# KiCad board 4in1-panel.kicad_pcb (continued)
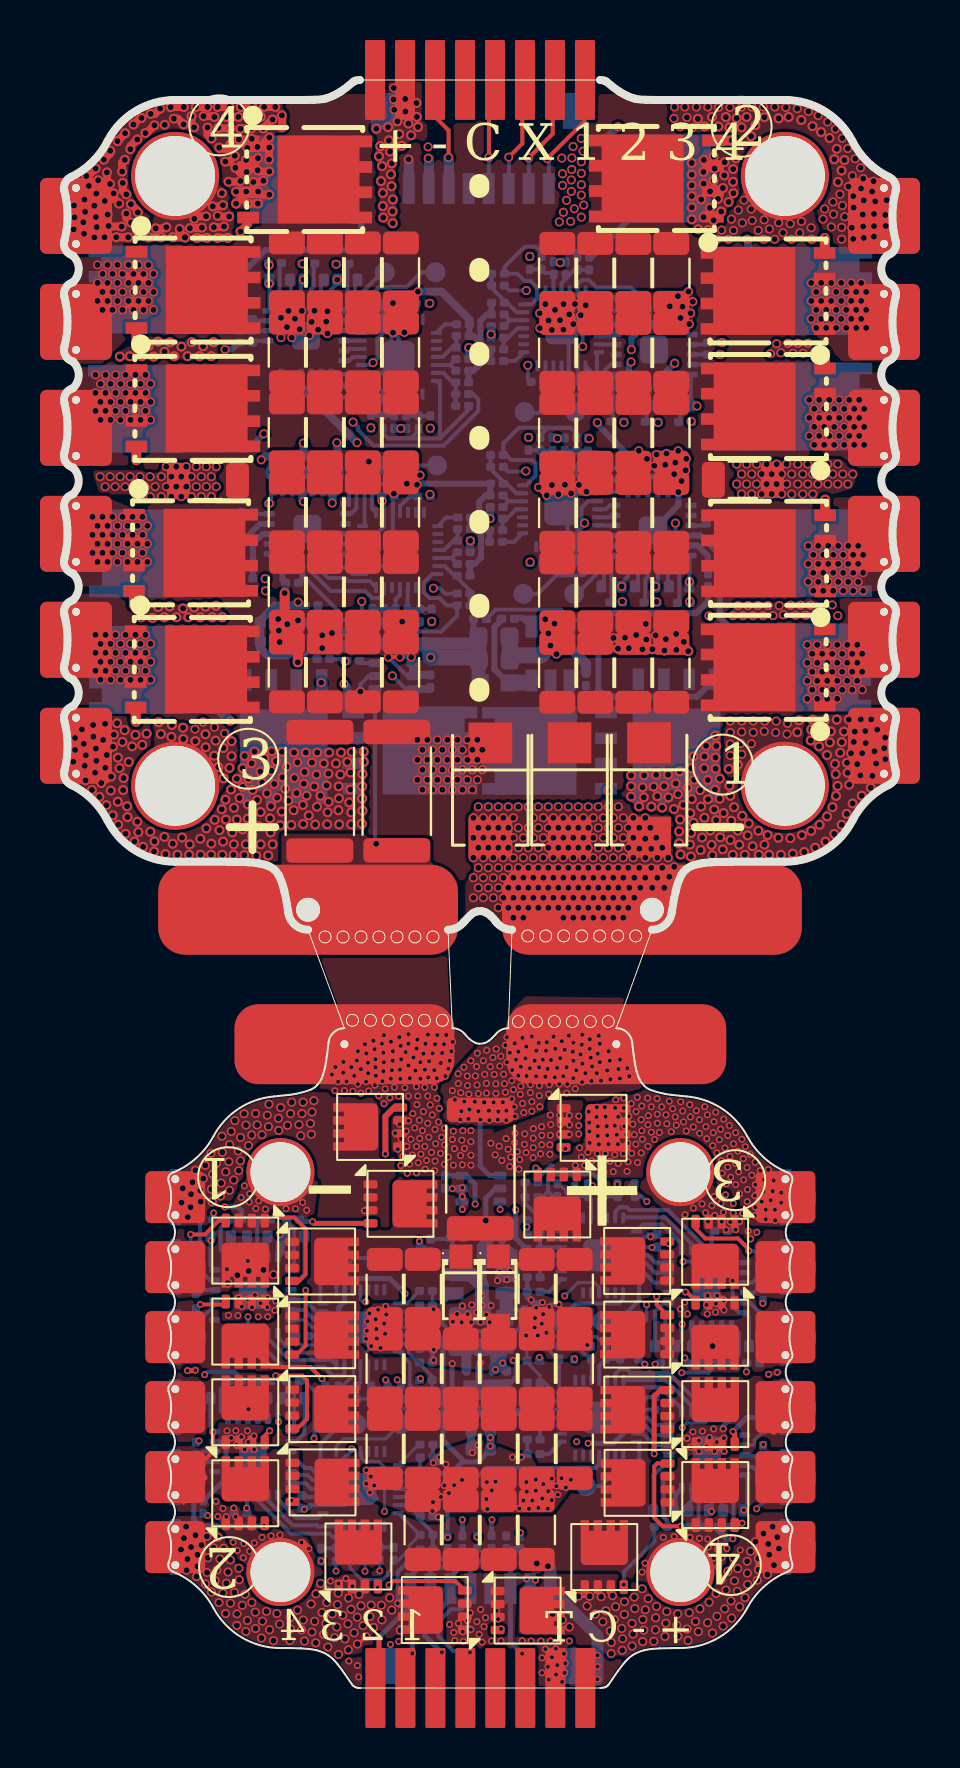
[diagram p0: board, top side]
## Routing (per net, layer and track width the routed paths; a pad name or vN(x,y) marks a point on that pad's centre or on a via; arc(x,y) is an arc through that point) (continued)
+10V: length 150.4
  In2.Cu w0.4: 16.24,8.29 15.8,8.29 13.02,11.07 13.02,12.71 12.44,13.3 12.35,13.3 12.35,17.47 12.58,17.7 ; 16.24,8.29 11.69,8.29 11.16,8.82 11.12,8.82 10.82,9.12 9.25,9.12 v2(9.13,9) ; 16.24,8.29 17.92,9.98 17.92,11.48 18.52,12.08 19.34,12.08 20.41,11.01 24.26,11.01 24.47,11.22 28.26,11.22 30.24,13.2 30.73,13.2 v2(30.91,13.02) ; 9.16,18.35 9.16,18.34 9.81,17.7 12.58,17.7 ; 12.58,17.7 17.23,22.34 v2(17.76,22.34) 18.93,22.34 21.92,19.36 v2(21.92,16.25) 21.88,16.25 v2(21.56,15.92)
  In2.Cu w0.5: 30.24,13.2 27.96,15.48 27.96,19.7 29.55,21.29 30.91,21.29
  In2.Cu w0.6: 28.36,67.01 28.07,67.01 26.66,65.6 v1(26.66,63.29)
  In3.Cu w0.8: 19.19,60.38 19.19,61.32 18.29,62.21 14.72,62.21 ; 19.19,60.38 19.51,60.06 19.51,52.73 v1(18.32,51.54) ; 19.19,60.38 22.14,63.34 26.61,63.34 v1(26.66,63.29)
  Bottom w0.16: U11.4 32.38,13.6 32.05,13.26 31.15,13.26 v2(30.91,13.02)
  Bottom w0.2: C88#2.1 32.38,14.5 32.38,13.95 ; U8.4 11.91,55.67 13.69,53.89 U15.4 14.55,53.41 14.93,53.04 14.93,52.38 14.67,52.11 C76.1 ; 9.18,9.65 9.13,9.6 C57.1 v2(9.13,9) ; 9.18,18.56 U3#2.4 9.18,16.88 C77.1 ; C63.1 32.38,22.69 U9.4 32.38,21.69 32.02,21.33 v2(30.95,21.33)
  Bottom w0.3: C47.1 20.47,52.83 20.47,53.55 ; U4#2.4 29.69,60.39 C57#2.1 29.27,60.59 26.66,63.2 v1(26.66,63.29) ; U8.4 11.91,55.48 C63#2.1 ; v1(28.36,66.93) 28.36,67.48 28.83,67.95 29.16,67.95 29.75,68.54 U6.4 29.75,69.44 C58.1
  Bottom w0.4: U1.4 20.11,16.64 C43#2.1 ; C68.1 11.84,65.14 U10.4 11.84,65.09 v1(14.64,62.28) ; 17.76,22.14 18.08,21.82 R119.1
  Bottom w0.5: C86#2.1 20.4,17.05 20.11,16.76 U1.4 ; U5#2.2 21.97,17.05 C43#2.1 ; U5#2.2 21.87,16.95 21.87,16.08 22.09,15.87 ; U5#2.2 21.56,16.64 v2(21.56,15.92)
  Bottom w0.6: U15.6 13.7,52.12 14.07,52.12 14.13,52.06 14.8,52.06 14.98,52.24 20.39,52.24 C47.1
  Bottom w0.7: U14.2 20.72,50.38 C47.1
  Bottom w0.8: 18.04,52.18 18.32,51.89 v1(18.32,51.54) 20.61,51.54 20.73,51.42 20.72,51.43 C47.1
  vias: v2(9.19,18.57)
/ESC1/vdda: length 3.2
  Bottom w0.2: R84.1 22.23,59.36 ; 22.23,59.36 C48#2.1 ; 22.23,59.36 U2#2.5 ; 16.81,17.64 17.73,17.64 R74.1 C48.1
/ESC2/vdda: length 3.5
  Bottom w0.2: C54.1 22.29,68.41 ; 22.29,68.41 R85.1 ; 22.29,68.41 U5.5 ; C44#2.1 R75#2.1 17.35,9.55 U6#2.5
/ESC3/vdda: length 3.2
  Bottom w0.2: C60.1 19.37,56.52 ; 19.37,56.52 U7#2.5 ; 19.37,56.52 R86.1 ; 24.75,22.04 23.86,22.04 R76#2.1 23.79,21.97 C64.1
/ESC4/vdda: length 3.2
  Bottom w0.2: R88.1 19.3,66.17 ; 19.3,66.17 C65#2.1 ; 19.3,66.17 U9#2.5 ; C78.1 23.8,13.87 R77#2.1 23.87,13.93 24.76,13.93
GND: length 168.3
  Top w0.2: v1(24.62,51.71) 24.21,52.11 v1(24.21,52.75) ; v1(24.52,53.23) 24.3,53.45 v1(24.05,53.45) ; v1(17.01,67.8) 16.99,67.78 v1(16.44,67.78) ; v1(16.21,51.56) v1(16.78,51.56)
  Top w0.25: v2(33,11.84) 32.88,11.96 32.88,12.2 ; Q24.1 32.23,12.13 v2(32.53,11.84) ; v2(6.16,15.88) 6.54,15.88 v2(6.56,15.89)
  Top w0.3: v2(12.23,6.97) 11.92,7.28 v2(11.86,7.28)
  Top w0.4: v3(8.18,72.53) v3(7.67,72.53) ; v3(5.43,72.56) 5.45,72.55 v3(6.03,72.55) 5.77,72.81 v3(5.77,72.97) ; v3(7.43,74.1) 7.87,74.1 v3(7.93,74.17) ; v3(7.66,73.63) 7.7,73.59 v3(8.24,73.59) ; v3(7.14,72.53) v3(6.63,72.53) ; v3(7.99,73.1) 7.95,73.06 v3(7.48,73.06) ; v3(4.83,72.56) v3(4.23,72.56) ; v3(4.57,73) 5.04,73 v3(5.1,73.06) ; v3(7.09,73.61) 6.63,73.61 v3(6.5,73.48) ; v3(6.28,73.01) 6.85,73.01 v3(6.88,73.04)
  Top w0.5: v1(11.02,54.77) 11.02,53.34 ; v3(11.68,51.3) 11.68,51.73
  In3.Cu w0.2: v1(11.88,68.88) 12.37,68.39 v1(12.37,68.33) ; v1(12.69,67.93) v1(13.1,68.34)
  Bottom w0.16: 25.5,25.03 25.5,25 25.5,25 v2(25.55,25) ; v2(15.63,17.48) 15.08,18.04 U2.29 ; v2(15.63,17.48) 15.81,17.48 v2(16.04,17.72) ; v2(15.63,17.48) 15.63,17.86 v2(16,18.23) 15.79,18.23 v2(15.57,18.44) ; v2(18.46,11.26) 18.44,11.28 C46.2 ; v2(15.13,17.87) 14.96,18.04 U2.29 ; v2(15.13,17.87) 15.13,17.32 v2(15.35,17.1) ; v2(15.13,17.87) 15.13,17.51 v2(15.08,17.47) ; v2(15.26,18.74) 15.55,18.44 v2(15.57,18.44) ; C49.2 11.57,17.4 11.81,17.16 12.59,17.16 12.66,17.24 U2.16 14.01,17.24 U2.29 ; v2(15.16,18.34) 15.55,17.96 v2(15.61,17.96) ; v2(13.59,5.85) 13.57,5.86 R35.1 ; v2(18.47,18.95) 18.42,18.95 18.41,18.96 C50.2 R19.2 ; v2(18.48,16.92) 18.41,16.86 R26.1 ; v2(29.13,19.17) 29.13,18.42 R71#2.1 ; v2(15.57,18.44) 15.57,18.8 v2(15.7,18.93) 15.9,18.93 v2(16.07,19.09) ; v2(15.35,17.1) 15.35,17.7 v2(15.61,17.96) ; v2(15.35,17.1) 15.35,17.04 15.08,16.77 ; v2(15.33,10.58) 14.81,10.05 U6#2.29 15.32,9.95 v2(15.5,10.13) ; U2.29 14.47,17.7 14.47,15.66 13.91,15.1 R32.1 ; v2(15.77,5.86) 15.77,5.86 R14#2.1 ; v2(26.16,17.16) 26.22,17.09 R68.1 ; v2(16.65,15.41) 16.65,15.4 16.75,15.3 16.75,15.09 ; v2(15.61,17.96) 15.61,18.18 v2(16.1,18.68)
  Bottom w0.2: v2(23.13,23.06) 23.15,23.08 R47#2.1 C64.2 ; U9.25 32.13,19.67 ; v1(24.05,53.45) 24.32,53.19 v1(24.32,52.14) ; C88#2.2 33.38,14.44 33.38,13.95 ; v1(24.66,62.49) 24.62,62.54 R29.1 25.02,62.54 R32#2.1 ; U15.7 12.03,53.39 v1(11.69,53.39) ; U15.7 12.66,52.25 v3(12.9,52.01) ; U15.7 v3(13.39,52.76) ; C86#2.2 20.96,18.6 v2(21.27,18.3) ; C86#2.2 20.88,18.35 v2(20.82,18.3) ; C86#2.2 21.03,18.6 v2(21.1,18.68) ; U8#2.29 27.55,22.44 U8#2.16 28.94,22.44 29.18,22.69 C65.2 29.44,22.69 v2(29.32,22.57) ; U9#2.16 15.92,65.77 U9#2.29 ; C66.2 R40#2.2 ; U6#2.29 14.01,9.15 U6#2.16 12.23,9.15 12.07,8.99 C45#2.2 12.23,8.99 12.27,9.03 ; C46.2 R4.2 ; C79#2.2 29.17,14.55 28.94,14.33 U10#2.16 ; 25.23,67.65 25.23,65.39 C55.2 ; R58.2 C80#2.2 ; U12.2 17.16,50.6 v1(16.21,51.56) ; v1(24.52,53.23) 24.52,53.06 v1(24.21,52.75) ; R50.1 v1(16.9,53.34) 16.89,53.35 R53#2.1 ; v1(16.44,69.26) 16.36,69.19 16.36,66.93 U9#2.29 ; U7#2.16 15.99,56.11 U7#2.29 16.43,57.27 16.43,59.53 C61.2 ; R71.1 16.82,63 v1(16.83,62.99) R68#2.1 ; v3(11.68,51.3) 12.9,52.52 v3(12.9,52.65) ; U2#2.16 25.61,59.76 U2#2.29 25.17,58.6 25.17,56.34 C49#2.2 ; v1(16.44,67.78) 16.72,67.51 U9#2.29 ; R65#2.1 C78.2 ; v1(16.78,51.56) v1(17.35,51.56)
  Bottom w0.25: v2(12.01,8.93) 12.06,8.99 12.07,8.99 ; U1.3 19.4,14.57 v2(19.4,16.22) ; v2(23.54,18.5) 23.83,18.22 v2(23.88,18.22) ; v2(19.08,11.18) 19.01,11.26 v2(18.46,11.26) 18.49,11.26 v2(18.77,11.54) ; 22.14,15.23 22.28,15.23 22.62,15.58 22.62,16.22 v2(22.46,16.38) ; v2(18.44,9.3) 18.44,8.88 v2(18.41,8.85) ; v2(20.88,19.63) 21.34,19.16 v2(21.34,19.13) ; U11.6 33.38,13.53 32.95,13.1 ; C43#2.2 20.04,18.6 v2(20.35,18.3) 20.35,18.49 v2(20.64,18.79) 20.26,18.79 v2(20.17,18.7) ; v2(18.48,16.92) 18.42,16.86 18.42,16.49 18.48,16.43 v2(18.48,16.4) ; v2(24.25,19.06) 24.37,19.18 v2(24.73,19.18) ; v2(23.6,19.02) 23.93,18.7 v2(23.95,18.7) ; v2(19.88,18.3) 19.88,18.47 v2(19.64,18.71) ; v2(20.8,16.27) 20.76,16.23 U1.7 ; v2(20.38,19.16) 20.87,19.16 v2(20.88,19.15) ; v2(23.1,17.63) 23.14,17.63 23.49,17.99 23.49,19.21 23.15,19.55 23.15,20.15 ; v2(20.69,12.15) 20.41,11.87 v2(20.41,11.77) 20.35,11.83 C1.1 ; v2(24.11,17.76) 23.85,18.03 v2(23.53,18.03) ; v2(15.1,10.22) 15.33,10.45 v2(15.33,10.58) 15.33,10.66 v2(15.1,10.9) ; v2(23.91,19.28) 23.48,19.28 v2(23.35,19.42) ; v2(19.91,19.1) 19.43,18.63 v2(19.43,18.32) ; v2(19.91,23.93) 19.89,23.95 U12#2.1 U12#2.2 19.88,24.99 C93#2.2 ; 15.6,9.5 15.32,9.78 v2(15.29,9.78)
  Bottom w0.3: 20.81,66.9 R22#2.2 21.33,66.94 C52.2 ; 20.81,66.9 20.81,68.38 21.13,68.69 C54.2 21.37,68.7 R11.1 ; 20.81,66.9 20.81,66.23 20.46,65.88 C65#2.2 20.22,65.87 R65.1 ; 20.81,66.9 20.81,67.29 20.48,67.62 C64#2.2 20.26,67.63 R59.2 ; C63#2.2 10.91,55.44 U8.6 ; v1(16.48,59.73) 16.51,59.7 C61.2 ; R19#2.2 21.27,57.9 C50#2.2 21.05,57.91 20.75,58.21 ; 20.75,58.21 20.85,58.11 20.85,56.54 20.53,56.23 C60.2 20.29,56.22 R47.1 ; 20.75,58.21 20.56,58.21 C59#2.2 20.32,58.54 R41.2 ; 20.75,58.21 20.75,59.33 21.07,59.65 C48#2.2 21.3,60.23 R26#2.1 17.69,60.24 v1(17.64,60.18) 17.64,60.51 v1(17.79,60.66) ; v1(30.71,59.81) 30.71,59.17 U4#2.25
  Bottom w0.4: C76.2 14.44,52.78 12.68,52.78 U15.7 ; C71#2.2 22.15,15.22 22.14,15.23 21.1,15.23 U1.7 U1.5 ; v1(24.13,59.65) 24.39,59.91 v1(24.39,60.17) ; v1(17.69,69.84) 18.87,69.84 20.26,68.45 R59.2 ; v1(10.77,52.31) 10.77,52.79 11.3,53.32 12.1,53.32 U15.7 ; C1.1 C42.1 20.11,13.11 U1.3 ; v1(25.35,59.75) 25.74,60.14 v1(25.74,60.17) ; C4.1 10.75,52.91 v1(10.73,52.89) ; v1(24.71,59.71) 25.04,60.03 v1(25.04,60.18) ; v1(11.02,54.77) 11.07,54.81 C63#2.2 ; C81.2 12.69,52.79 U15.7 ; v2(27.66,25.2) 27.67,25.21 27.67,25.22 ; C93.2 17.51,50.67 U12.2 U12.1 ; U2#2.29 25.69,59.83 v1(26.11,59.83) ; v1(10.7,53.46) 10.89,53.46 v1(11.15,53.21)
  Bottom w0.5: C74.2 26.1,51.23 25.2,52.13 24.33,52.13 v1(24.32,52.14) ; 20.88,20.15 20.88,22.07 C69#2.2 ; Q21#2.1 Q21#2.1 ; U10.6 10.84,65.09 C68.2 ; v1(18.21,76.5) 18.23,76.48 18.23,75.57
  Bottom w0.6: J1.P2 16.02,1.08
  Bottom w0.7: U13#2.2 20.34,20.69 20.88,20.15 v2(20.88,19.15) C86#2.2 C43#2.2
  Bottom w0.8: U13.2 v1(24.32,52.14) 23.83,51.65 22.51,51.65 C86.2 22.28,52.56 C47.2
  vias: v1(1.79,60.58) v1(2.04,60.08) v1(2.29,60.58) v1(2.54,60.08) v1(2.79,60.58) v1(3.04,60.08) v1(3.29,60.58) v1(3.54,60.08) v1(3.79,60.58) v1(3.79,59.58) v1(3.84,53.53) v1(4.04,60.08) v1(4.29,60.58) v1(4.29,59.58) v1(4.54,60.08) v1(4.85,60.58) v1(4.85,59.58) v1(5.1,61.08) v1(5.1,60.08) v1(5.35,60.58) v1(5.35,59.58) v1(5.6,61.08) v1(5.6,60.08) v1(5.85,60.58) v1(5.85,59.58) v1(6.1,61.08) v1(6.1,60.08) v1(6.35,60.58) v1(6.35,59.58) v1(6.6,61.08) v1(6.6,60.08) v1(6.54,47.96) v1(6.85,60.58) v1(6.85,59.58) v1(6.94,48.31) v1(7.1,61.08) v1(7.1,60.08) v1(7.35,60.58) v1(7.35,59.58) v1(7.51,48.06) v1(7.6,61.08) v1(7.6,60.08) v1(8.02,47.74) v1(10.83,68.53) v1(10.83,67.54) v1(11.14,68.07) v1(11.21,68.88) v1(11.38,67.54) v1(11.54,68.48) v1(11.77,67.96) v1(12.25,67.64) v1(12.51,68.88) v1(13.16,68.85) v1(13.16,67.74) v1(15.24,61.34) v1(16.48,80.02) v1(16.46,79.45) v1(16.5,78.94) v1(17.05,79.47) v1(17.13,60.23) v1(18.2,77.08) v1(20.46,43.52) v1(20.46,42.52) v1(20.46,41.52) v1(20.46,40.52) v1(20.46,39.52) v1(20.71,44.07) v1(20.71,43.02) v1(20.71,42.02) v1(20.71,41.02) v1(20.71,40.02) v1(20.96,43.52) v1(20.96,42.52) v1(20.96,41.52) v1(20.96,40.52) v1(20.96,39.52) v1(21.21,44.07) v1(21.21,43.02) v1(21.21,42.02) v1(21.21,41.02) v1(21.21,40.02) v1(21.46,43.52) v1(21.46,42.52) v1(21.46,41.52) v1(21.46,40.52) v1(21.46,39.52) v1(21.71,44.07) v1(21.71,43.02) v1(21.71,42.02) v1(21.71,41.02) v1(21.71,40.02) v1(21.71,39.02) v1(21.96,43.52) v1(21.96,42.52) v1(21.96,41.52) v1(21.96,40.52) v1(21.96,39.52) v1(22.21,44.07) v1(22.21,43.02) v1(22.21,42.02) v1(22.21,41.02) v1(22.21,40.02) v1(22.21,39.02) v1(22.46,43.52) v1(22.46,42.52) v1(22.46,41.52) v1(22.46,40.52) v1(22.46,39.52) v1(22.46,38.52) v1(22.71,44.07) v1(22.71,43.02) v1(22.71,42.02) v1(22.71,41.02) v1(22.71,40.02) v1(22.71,39.02) v1(22.96,42.52) v1(22.96,41.52) v1(22.96,40.52) v1(22.96,39.52) v1(22.96,38.52) v1(23.21,44.07) v1(23.21,43.02) v1(23.21,42.02) v1(23.21,41.02) v1(23.21,40.02) v1(23.21,39.02) v1(23.46,43.52) v1(23.46,42.52) v1(23.46,41.52) v1(23.46,40.52) v1(23.46,39.52) v1(23.71,44.07) v1(23.71,43.02) v1(23.71,42.02) v1(23.71,41.02) v1(23.71,40.02) v1(23.71,39.02) v1(23.77,68.76) v1(23.78,68.01) v1(23.72,60.05) v1(23.96,43.52) v1(23.96,42.52) v1(23.96,41.52) v1(23.96,40.52) v1(23.96,39.52) v1(24.06,69.22) v1(24.21,44.07) v1(24.21,43.02) v1(24.21,42.02) v1(24.21,41.02) v1(24.21,40.02) v1(24.21,39.02) v1(24.22,68.4) v1(24.39,67.92) v1(24.46,43.52) v1(24.46,42.52) v1(24.46,41.52) v1(24.46,40.52) v1(24.46,39.52) v1(24.54,68.92) v1(24.71,44.07) v1(24.71,43.02) v1(24.71,42.02) v1(24.71,41.02) v1(24.71,40.02) v1(24.71,39.02) v1(24.76,73.32) v1(24.8,71.29) v1(24.79,68.41) v1(24.88,76.52) v1(24.92,75.73) v1(24.92,75.15) v1(24.96,73.81) v1(24.97,69.22) v1(24.96,67.94) v1(24.96,43.52) v1(24.96,42.52) v1(24.96,41.52) v1(24.96,40.52) v1(24.96,39.52) v1(24.96,38.52) v1(25.12,74.41) v1(25.21,44.07) v1(25.21,43.02) v1(25.21,42.02) v1(25.21,41.02) v1(25.21,40.02) v1(25.21,39.02) v1(25.26,68.7) v1(25.39,76.53) v1(25.38,75.95) v1(25.36,75.42) v1(25.36,74.85) v1(25.32,73.35) v1(25.45,77.1) v1(25.51,73.98) v1(25.46,68.22) v1(25.46,43.52) v1(25.46,42.52) v1(25.46,41.52) v1(25.46,40.52) v1(25.46,39.52) v1(25.46,38.52) v1(25.54,69.22) v1(25.71,44.07) v1(25.71,43.02) v1(25.71,42.02) v1(25.71,41.02) v1(25.71,40.02) v1(25.71,39.02) v1(25.85,77.5) v1(25.86,76.33) v1(25.86,75.76) v1(25.86,75.19) v1(25.86,74.67) v1(25.86,73.56) v1(25.83,68.66) v1(25.94,76.86) v1(25.98,74.17) v1(25.96,43.52) v1(25.96,42.52) v1(25.96,41.52) v1(25.96,40.52) v1(25.96,39.52) v1(25.96,38.52) v1(26.08,69.16) v1(26.21,44.07) v1(26.21,43.02) v1(26.21,42.02) v1(26.21,41.02) v1(26.21,40.02) v1(26.21,39.02) v1(26.46,43.52) v1(26.46,42.52) v1(26.46,41.52) v1(26.46,40.52) v1(26.46,39.52) v1(26.46,38.52) v1(26.71,44.07) v1(26.71,43.02) v1(26.71,42.02) v1(26.71,41.02) v1(26.71,40.02) v1(26.71,39.02) v1(26.96,43.52) v1(26.96,42.52) v1(26.96,41.52) v1(26.96,40.52) v1(26.96,39.52) v1(26.96,38.52) v1(27.21,44.07) v1(27.21,43.02) v1(27.21,42.02) v1(27.21,41.02) v1(27.21,40.02) v1(27.21,39.02) v1(27.47,52.52) v1(27.46,43.52) v1(27.46,42.52) v1(27.46,41.52) v1(27.46,40.52) v1(27.46,39.52) v1(27.46,38.52) v1(27.71,44.07) v1(27.71,43.02) v1(27.71,42.02) v1(27.71,41.02) v1(27.71,40.02) v1(27.71,39.02) v1(27.96,43.52) v1(27.96,42.52) v1(27.96,41.52) v1(27.96,40.52) v1(27.96,39.52) v1(27.96,38.52) v1(28.04,52.53) v1(28.21,43.02) v1(28.21,42.02) v1(28.21,41.02) v1(28.21,39.02) v1(28.26,40.02) v1(28.46,43.52) v1(28.46,42.52) v1(28.46,41.52) v1(28.51,40.52) v1(28.51,39.52) v1(28.6,52.67) v1(28.74,61.88) v1(28.76,43.02) v1(28.76,41.97) v1(28.76,41.02) v1(28.81,40.02) v1(29.08,53.22) v1(29.06,43.52) v1(29.06,42.47) v1(29.06,41.52) v1(29.06,40.52) v1(29.14,61.48) v1(29.11,52.44) v1(29.31,43.02) v1(29.36,41.97) v1(29.36,41.02) v1(29.41,40.02) v1(29.51,61.13) v1(29.57,52.65) v1(29.62,61.69) v1(29.61,42.52) v1(29.66,41.52) v1(29.66,40.52) v1(29.91,42.02) v1(29.91,41.02) v1(30.01,40.02) v1(30.05,61.18) v1(30.09,52.46) v1(30.12,61.75) v1(30.21,41.52) v1(30.28,69.1) v1(30.26,40.57) v1(30.5,60.71) v1(30.51,41.07) v1(30.56,61.28) v1(30.6,52.72) v1(30.69,69.61) v1(30.7,61.88) v1(30.82,68.52) v1(30.87,60.37) v1(30.92,69.09) v1(30.99,52.32) v1(31.08,60.9) v1(31.11,61.48) v1(31.22,69.84) v1(31.26,68.22) v1(31.33,68.76) v1(31.44,69.34) v1(32.24,53.63) v1(32.64,72.46) v1(32.88,72.91) v1(33.22,72.46) v1(33.37,73.47) v1(33.31,48.36) v1(33.31,47.79) v1(33.31,47.21) v1(33.31,46.64) v1(33.47,72.9) v1(33.45,53.63) v1(33.63,61.21) v1(33.63,60.21) v1(33.7,54.13) v1(33.71,73.92) v1(33.88,60.71) v1(33.88,59.71) v1(33.88,48.36) v1(33.88,47.82) v1(33.83,47.25) v1(33.88,46.7) v1(34,74.42) v1(33.91,73.28) v1(33.95,53.63) v1(34.13,61.21) v1(34.13,60.21) v1(34.2,54.13) v1(34.36,73.97) v1(34.41,73.39) v1(34.38,60.71) v1(34.38,59.71) v1(34.36,47.23) v1(34.45,53.63) v1(34.46,48.36) v1(34.46,47.79) v1(34.71,72.91) v1(34.63,61.21) v1(34.63,60.21) v1(34.7,54.13) v1(34.88,60.71) v1(34.88,59.71) v1(35.01,73.43) v1(34.98,72.46) v1(34.95,53.63) v1(35.01,47.85) v1(35.03,48.36) v1(35.13,61.21) v1(35.13,60.21) v1(35.2,54.13) v1(35.27,72.97) v1(35.32,66.73) v1(35.38,60.71) v1(35.38,59.71) v1(35.45,53.63) v1(35.53,72.46) v1(35.61,48.36) v1(35.58,47.79) v1(35.63,67.23) v1(35.63,61.21) v1(35.63,60.21) v1(35.73,73.28) v1(35.76,54.13) v1(35.84,66.78) v1(35.88,60.71) v1(35.88,59.71) v1(35.95,72.78) v1(35.97,53.68) v1(36.2,67.25) v1(36.13,61.21) v1(36.13,60.21) v1(36.17,48.24) v1(36.15,47.71) v1(36.31,73.24) v1(36.37,72.46) v1(36.38,60.71) v1(36.38,59.71) v1(36.33,54.15) v1(36.45,66.75) v1(36.58,53.65) v1(36.7,67.25) v1(36.69,61.21) v1(36.69,60.21) v1(36.78,72.78) v1(36.87,73.35) v1(36.83,54.15) v1(36.95,66.75) v1(36.94,60.71) v1(36.94,59.71) v1(37.08,53.65) v1(37.2,67.25) v1(37.19,61.21) v1(37.19,60.21) v1(37.35,73.03) v1(37.37,72.46) v1(37.33,54.15) v1(37.44,60.71) v1(37.44,59.71) v1(37.69,61.21) v1(37.69,60.21) v1(37.94,60.71) v1(38.19,61.21) v1(38.19,60.21) v1(38.44,60.71) v1(38.41,54.17) v1(38.69,61.21) v1(38.69,60.21) v1(38.69,53.63) v1(38.94,60.71) v1(39.19,60.21) v1(39.44,60.71) v2(7.58,9.34) v2(7.68,8.58) v2(7.94,8.98) v2(8.1,8.57) v2(8.21,18.64) v2(8.13,12.86) v2(8.35,12.51) v2(8.48,9) v2(8.44,7.29) v2(8.58,12.86) v2(8.6,12.16) v2(8.57,8.57) v2(8.68,18.63) v2(8.65,6.88) v2(8.72,19.52) v2(8.84,24.53) v2(8.88,19.07) v2(8.86,12.56) v2(9.01,25.12) v2(8.98,7.23) v2(8.95,6.51) v2(9.02,11.93) v2(9.16,19.45) v2(9.16,12.86) v2(9.2,12.3) v2(9.27,24.72) v2(9.25,24.31) v2(9.26,6.85) v2(9.39,19.04) v2(9.48,12.61) v2(9.49,11.93) v2(9.5,7.25) v2(9.58,23.99) v2(9.53,19.66) v2(9.7,18.57) v2(9.72,24.37) v2(9.81,19.25) v2(9.89,7.54) v2(10.05,23.95) v2(10.17,19.52) v2(10.15,19.04) v2(10.17,18.57) v2(10.34,7.61) v2(10.57,19.77) v2(10.57,19.36) v2(10.53,18.89) v2(10.79,7.65) v2(11.09,23.97) v2(11.56,23.97) v2(11.92,24.29) v2(12.12,23.9) v2(13.38,30.68) v2(13.56,31.06) v2(13.53,29.88) v2(13.69,30.32) v2(13.96,31.31) v2(13.95,30.78) v2(14.01,29.88) v2(14.12,30.34) v2(14.23,1.35) v2(14.36,31.05) v2(14.5,30.62) v2(14.43,29.85) v2(14.68,31.85) v2(14.63,31.38) v2(14.68,30.2) v2(14.66,1.12) v2(14.72,0.55) v2(14.84,30.95) v2(14.83,29.75) v2(15.03,32.2) v2(15.1,31.74) v2(15.09,30.32) v2(15.19,31.27) v2(15.19,30.75) v2(15.22,29.87) v2(15.46,32.38) v2(15.52,31.95) v2(15.56,31.45) v2(15.56,31.05) v2(15.58,30.62) v2(15.53,30.15) v2(15.73,29.62) v2(15.88,32.22) v2(15.81,17) v2(15.98,32.65) v2(15.96,31.77) v2(15.98,31.3) v2(15.96,30.85) v2(15.91,30.35) v2(15.99,29.22) v2(16.04,29.97) v2(16.28,29.52) v2(16.34,32.33) v2(16.38,30.9) v2(16.33,30.48) v2(16.31,2.18) v2(16.43,31.85) v2(16.43,31.37) v2(16.51,30.05) v2(16.54,27.75) v2(16.68,26.94) v2(16.76,32.55) v2(16.78,30.92) v2(16.8,30.47) v2(16.73,29.61) v2(16.77,28.2) v2(16.73,2.33) v2(16.82,32.12) v2(16.85,31.44) v2(16.84,27.46) v2(16.83,26.13) v2(16.93,26.59) v2(17.07,31.81) v2(17.03,30.02) v2(17.11,27.86) v2(17.21,32.7) v2(17.21,32.22) v2(17.21,29.61) v2(17.13,27.09) v2(17.15,25.74) v2(17.21,31.14) v2(17.28,30.5) v2(17.22,28.37) v2(17.26,26.2) v2(17.33,27.45) v2(17.4,26.66) v2(17.46,31.54) v2(17.43,28.73) v2(17.56,30.88) v2(17.53,28.01) v2(17.66,32.42) v2(17.62,31.98) v2(17.61,30.07) v2(17.68,29.61) v2(17.64,29.18) v2(17.61,27.09) v2(17.7,26.27) v2(17.61,25.76) v2(17.76,28.4) v2(17.78,27.49) v2(17.81,31.3) v2(17.81,30.47) v2(17.83,26.7) v2(17.96,31.72) v2(17.96,28.83) v2(17.91,27.88) v2(18.06,32.22) v2(18.03,30.92) v2(18.03,30.05) v2(18.03,27.09) v2(18.05,25.94) v2(18.19,32.68) v2(18.2,30.53) v2(18.18,29.61) v2(18.18,28.25) v2(18.12,26.39) v2(18.25,31.35) v2(18.3,29.16) v2(18.23,27.55) v2(18.4,28.67) v2(18.37,26.79) v2(18.42,31.74) v2(18.51,30.9) v2(18.51,30.05) v2(18.55,32.2) v2(18.54,27.94) v2(18.57,27.22) v2(18.54,26.35) v2(18.52,25.88) v2(18.66,32.66) v2(18.63,30.5) v2(18.64,29.49) v2(18.71,8.55) v2(18.75,28.99) v2(18.71,28.31) v2(18.89,31.76) v2(18.82,31.25) v2(18.87,27.55) v2(18.82,26.74) v2(18.84,9.56) v2(18.99,32.2) v2(19.01,28) v2(19,10.13) v2(19.1,32.66) v2(19.06,30.6) v2(19.03,27.17) v2(19.01,26.19) v2(19.21,30.97) v2(19.21,26.55) v2(19.28,31.38) v2(19.23,9.75) v2(19.27,3.18) v2(19.36,31.84) v2(19.41,24.97) v2(19.43,32.31) v2(19.46,27.85) v2(19.41,27.44) v2(19.46,26.15) v2(19.5,10.15) v2(19.48,2.78) v2(19.51,26.98) v2(19.53,2.38) v2(19.71,3.23) v2(19.88,27.4) v2(19.82,26.63) v2(19.89,10.41) v2(19.93,27.88) v2(19.91,26.16) v2(19.91,25.02) v2(19.91,24.57) v2(19.93,2.81) v2(19.95,2.33) v2(20.01,26.98) v2(20.16,3.37) v2(20.3,3.76) v2(20.34,27.88) v2(20.34,27.32) v2(20.34,26.65) v2(20.34,26.15) v2(20.34,2.92) v2(20.43,2.33) v2(20.64,3.32) v2(20.75,2.68) v2(20.82,3.92) v2(20.89,2.29) v2(20.99,3.07) v2(21.07,3.52) v2(21.13,10.3) v2(21.11,9.45) v2(21.16,8.95) v2(21.33,27.25) v2(21.38,9.88) v2(21.37,2.36) v2(21.55,26.67) v2(21.56,10.32) v2(21.62,3.87) v2(21.7,3.45) v2(21.75,27.1) v2(21.88,26.39) v2(21.84,2.36) v2(22.1,27.48) v2(22.2,26.94) v2(22.28,26.08) v2(22.33,26.56) v2(22.41,11.54) v2(22.54,27.75) v2(22.53,27.28) v2(22.66,26.82) v2(22.78,26.43) v2(22.74,25.95) v2(22.76,8.97) v2(22.86,11.54) v2(22.9,2.37) v2(22.96,9.38) v2(23.03,27.71) v2(23.01,27.2) v2(23.1,26.78) v2(23.11,10.3) v2(23.13,9.82) v2(23.12,5.46) v2(23.24,8.97) v2(23.41,9.38) v2(23.35,2.35) v2(23.46,27.97) v2(23.45,27.5) v2(23.45,27.02) v2(23.45,26.52) v2(23.58,10.42) v2(23.58,9.88) v2(23.57,5.4) v2(23.68,17.63) v2(23.71,9.01) v2(23.87,28.07) v2(23.88,27.65) v2(23.88,27.17) v2(23.82,26.72) v2(23.9,9.48) v2(23.84,2.35) v2(23.89,1.51) v2(23.89,0.76) v2(23.96,10.2) v2(24.06,1.95) v2(24.2,9.84) v2(24.18,8.97) v2(24.19,1.06) v2(24.28,27.17) v2(24.29,26.7) v2(24.23,0.42) v2(24.31,28.66) v2(24.33,28.18) v2(24.31,27.65) v2(24.38,10.47) v2(24.38,9.4) v2(24.31,2.35) v2(24.39,1.54) v2(24.61,10.1) v2(24.59,1.97) v2(24.6,0.67) v2(24.68,9.67) v2(24.65,1.15) v2(24.78,28.64) v2(24.78,27.7) v2(24.79,2.35) v2(24.81,28.17) v2(24.87,10.49) v2(24.9,0.31) v2(24.99,1.71) v2(25.08,10.02) v2(25.06,1.24) v2(25.03,0.76) v2(25.26,28.63) v2(25.27,28.16) v2(25.26,27.69) v2(25.26,2.35) v2(25.34,10.42) v2(25.63,12.32) v2(25.73,28.61) v2(25.73,28.13) v2(25.73,27.71) v2(28.89,5.8) v2(29.05,6.25) v2(29.95,7.53) v2(30.5,7.58) v2(30.83,18.95) v2(31.05,23.67) v2(31.03,19.3) v2(31.16,18.71) v2(31.15,12.49) v2(31.3,7.53) v2(31.32,12.05) v2(31.47,24) v2(31.44,12.81) v2(31.74,12.37) v2(31.75,11.84) v2(31.77,7.49) v2(31.9,24.21) v2(31.92,12.85) v2(32.07,23.77) v2(32.2,23.33) v2(32.18,19.63) v2(32.12,19.16) v2(32.16,18.71) v2(32.11,12.07) v2(32.18,7.45) v2(32.21,7.05) v2(32.27,12.53) v2(32.39,24.12) v2(32.5,24.59) v2(32.48,12.96) v2(32.48,6.5) v2(32.53,23.64) v2(32.59,19.22) v2(32.57,18.8) v2(32.58,7.33) v2(32.65,19.63) v2(32.63,12.3) v2(32.67,6.94) v2(32.69,6.07) v2(32.85,24.25) v2(32.88,23.33) v2(32.97,23.8) v2(32.99,19.38) v2(32.99,18.91) v2(32.95,12.96) v2(32.99,12.5) v2(32.91,6.52) v2(33.07,24.67) v2(33.1,22.92) v2(33.14,6.98) v2(33.31,23.31) v2(33.46,24.24) v2(33.45,23.76) v2(33.58,22.92) v2(33.78,23.33) v2(33.93,23.75) v2(34.21,22.85) v2(34.33,22.46) v2(34.64,22.8) v2(35.23,15.69) v2(35.66,15.79) v3(2.78,66.59) v3(3.28,66.61) v3(3.87,66.61) v3(4.21,67.11) v3(4.4,53.53) v3(4.47,66.59) v3(4.68,67.34) v3(4.69,54.07) v3(4.72,48.3) v3(4.83,47.72) v3(5,53.55) v3(5.01,66.84) v3(5.28,67.3) v3(5.27,54.09) v3(5.38,48.17) v3(5.35,47.57) v3(5.5,66.61) v3(5.6,53.56) v3(5.86,67.09) v3(5.94,53.99) v3(5.94,48.03) v3(5.95,47.47) v3(6.16,66.61) v3(6.2,53.56) v3(6.37,67.31) v3(6.49,54.04) v3(6.55,47.36) v3(6.76,66.61) v3(6.8,53.56) v3(6.94,67.11) v3(7.06,54.08) v3(7.06,47.7) v3(7.07,47.05) v3(7.35,66.61) v3(7.4,53.56) v3(7.46,67.31) v3(7.5,46.63) v3(7.58,54.13) v3(7.57,47.38) v3(7.7,46.06) v3(7.88,74.77) v3(7.9,53.56) v3(7.96,47.02) v3(7.96,45.5) v3(8.26,46.02) v3(8.36,47.35) v3(8.36,46.61) v3(15.61,77.99) v3(15.8,77.12) v3(15.74,76.61) v3(15.89,76.11) v3(15.84,75.37) v3(15.93,74.77) v3(15.93,74.12) v3(15.95,73.54) v3(16.19,78.07) v3(16.24,77.41) v3(16.29,76.84) v3(16.38,76.25) v3(16.33,75.71) v3(16.37,75.11) v3(16.43,74.45) v3(16.42,73.85) v3(16.43,73.26) v3(16.66,78.36) v3(16.75,77.72) v3(16.88,77.13) v3(17.06,78.84) v3(17.21,78.24) v3(17.34,77.66) v3(17.61,79.27) v3(17.63,78.58) v3(17.69,78.07) v3(27.69,51.98) v3(28.23,52.01) v3(28.92,51.95) v3(29.42,51.95) v3(30.02,51.89) v3(30.61,51.92) v3(31.21,51.86) v3(33.23,45.97) v3(33.69,46.18) v3(36.66,47.8) v3(36.75,48.4)
+BATT: length 18.3
  Bottom w0.2: C69#2.1 21.9,21.86 ; U12.5 15.21,50.6 14.81,50.2 v1(14.81,49.84)
  Bottom w0.25: U12#2.5 21.57,24.98 21.08,24.49 v1(21.08,23.38)
  Bottom w0.4: 24.32,47.62 Q1#2.3
  Bottom w0.5: v1(17.22,76.45) 17.23,76.44 17.23,75.57
  Bottom w0.6: J1.1 24.31,5.62 24.33,5.64 ; J1.1 24.31,5.97 v1(24.19,6.09) 24.04,6.24 v1(23.63,6.24) ; J1.1 26.67,2.61 v2(26.67,0.44)
  Bottom w0.8: 24.33,47.63 Q1#2.3 25.27,48.57
  Bottom w1: U13#2.4 22.12,21.01 22.26,20.87 22.26,20.86 22.15,20.75 22.12,20.75
  vias: v1(17.66,47.42) v1(17.66,46.42) v1(17.66,45.42) v1(17.91,46.92) v1(17.91,45.92) v1(17.91,44.92) v1(18.16,47.42) v1(18.16,46.42) v1(18.16,45.42) v1(18.41,46.92) v1(18.41,45.92) v1(18.41,44.92) v1(18.66,47.42) v1(18.66,46.42) v1(18.66,45.42) v1(18.91,46.92) v1(18.91,45.92) v1(18.91,44.92) v1(19.16,47.42) v1(19.16,46.42) v1(19.16,45.42) v1(19.41,46.92) v1(19.41,45.92) v1(19.41,44.92) v1(19.66,47.42) v1(19.66,46.42) v1(19.66,45.42) v1(19.91,46.92) v1(19.91,45.92) v1(19.91,44.92) v1(20.16,47.42) v1(20.16,46.42) v1(20.16,45.42) v1(20.41,46.92) v1(20.41,45.92) v1(20.41,44.92) v1(20.66,47.42) v1(20.66,46.42) v1(20.66,45.42) v1(20.91,46.92) v1(20.91,45.92) v2(21.66,20.38) v2(21.78,20.83) v2(22.13,20.42) v2(22.3,20.87) v2(22.58,21.18) v2(22.59,20.44) v2(26.67,1.64) v2(26.67,1.07)
/CSA+: length 11.2
  Bottom w0.2: U12.4 15.54,42.28 v1(15.6,42.22)
  Bottom w0.25: 20.8,28.41 20.8,26.1 21.27,25.63 U12#2.4
  vias: v2(19.41,29.88) v2(19.54,29.42) v2(19.7,30.72) v2(19.7,30.23) v2(19.83,29.77) v2(19.86,28.85) v2(19.81,28.42) v2(19.98,31.05) v2(20,29.33) v2(20.16,30.61) v2(20.17,30.13) v2(20.23,29.7) v2(20.26,28.93) v2(20.21,28.46) v2(20.34,31.37) v2(20.56,30.61) v2(20.53,29.32) v2(20.66,31.75) v2(20.62,31.08) v2(20.64,30.16) v2(20.71,29.72) v2(20.71,28.85) v2(20.81,28.42) v2(20.96,31.38) v2(21,29.29) v2(21,29.29) v2(21.03,30.69) v2(21.13,31.9) v2(21.11,30.24) v2(21.11,29.76) v2(21.31,31.08) v2(21.24,28.88) v2(21.26,28.4) v2(21.44,31.53) v2(21.5,30.69) v2(21.47,29.29) v2(21.6,31.96) v2(21.58,30.22) v2(21.59,29.74) v2(21.71,28.82) v2(21.68,28.42) v2(21.78,31.11) v2(21.83,31.6) v2(21.97,30.7) v2(22.01,30.22) v2(21.93,29.3) v2(22.06,32.15) v2(22.06,29.8) v2(22.13,32.55) v2(22.13,31.3) v2(22.11,28.87) v2(22.11,28.4) v2(22.28,31.77) v2(22.4,30.91) v2(22.38,30.38) v2(22.38,29.46) v2(22.46,29.92) v2(22.5,29.07) v2(22.52,32.24) v2(22.59,31.42) v2(22.54,28.6) v2(22.71,31.82) v2(22.71,30.62) v2(22.83,31.07) v2(22.83,30.1) v2(22.81,29.7) v2(22.91,32.52) v2(22.92,29.23) v2(22.98,28.78) v2(23.06,31.49) v2(23.11,32.07) v2(23.12,30.61) v2(23.28,31) v2(23.38,32.59) v2(23.31,30.17) v2(23.31,29.77) v2(23.38,29.33) v2(23.38,28.85) v2(23.52,31.38) v2(23.6,30.6) v2(23.61,31.88) v2(23.73,32.27) v2(23.75,31.04) v2(23.76,30.12) v2(23.76,29.62) v2(23.78,29.07) v2(23.93,31.42) v2(24.09,31.88) v2(24.06,30.57) v2(24.13,32.3) v2(24.17,30.96) v2(24.26,30.17) v2(24.23,29.7) v2(24.34,31.41) v2(24.47,32.58) v2(24.56,31.97) v2(24.53,30.54) v2(24.65,31.02) v2(24.66,29.75) v2(24.81,31.5) v2(24.76,30.2) v2(24.88,32.35) v2(24.96,30.6) v2(25.03,31.92) v2(25.12,31.05) v2(25.16,30.2) v2(25.13,29.75) v2(25.23,32.62) v2(25.46,32.27) v2(25.43,31.82) v2(25.46,31.38) v2(25.46,30.5) v2(25.55,29.98) v2(25.61,30.9) v2(25.88,32.17) v2(25.82,31.69) v2(25.9,30.3) v2(25.91,32.67) v2(25.91,31.22) v2(26.06,30.75) v2(26.28,32.45) v2(26.28,31.97) v2(26.33,31.52) v2(26.39,31.09) v2(26.37,30.36) v2(26.68,31.72) v2(26.63,30.75) v2(26.73,32.62) v2(26.78,32.22) v2(26.78,31.3) v2(26.84,30.38) v2(27.15,30.89) v2(27.22,31.85) v2(27.28,31.38) v2(27.31,30.44) v2(27.8,31.43) v2(27.72,30.96) v2(27.79,30.49) v2(28.16,31) v2(28.26,30.6)